# Altium PCB Analog_Modul.PcbDoc (continued)
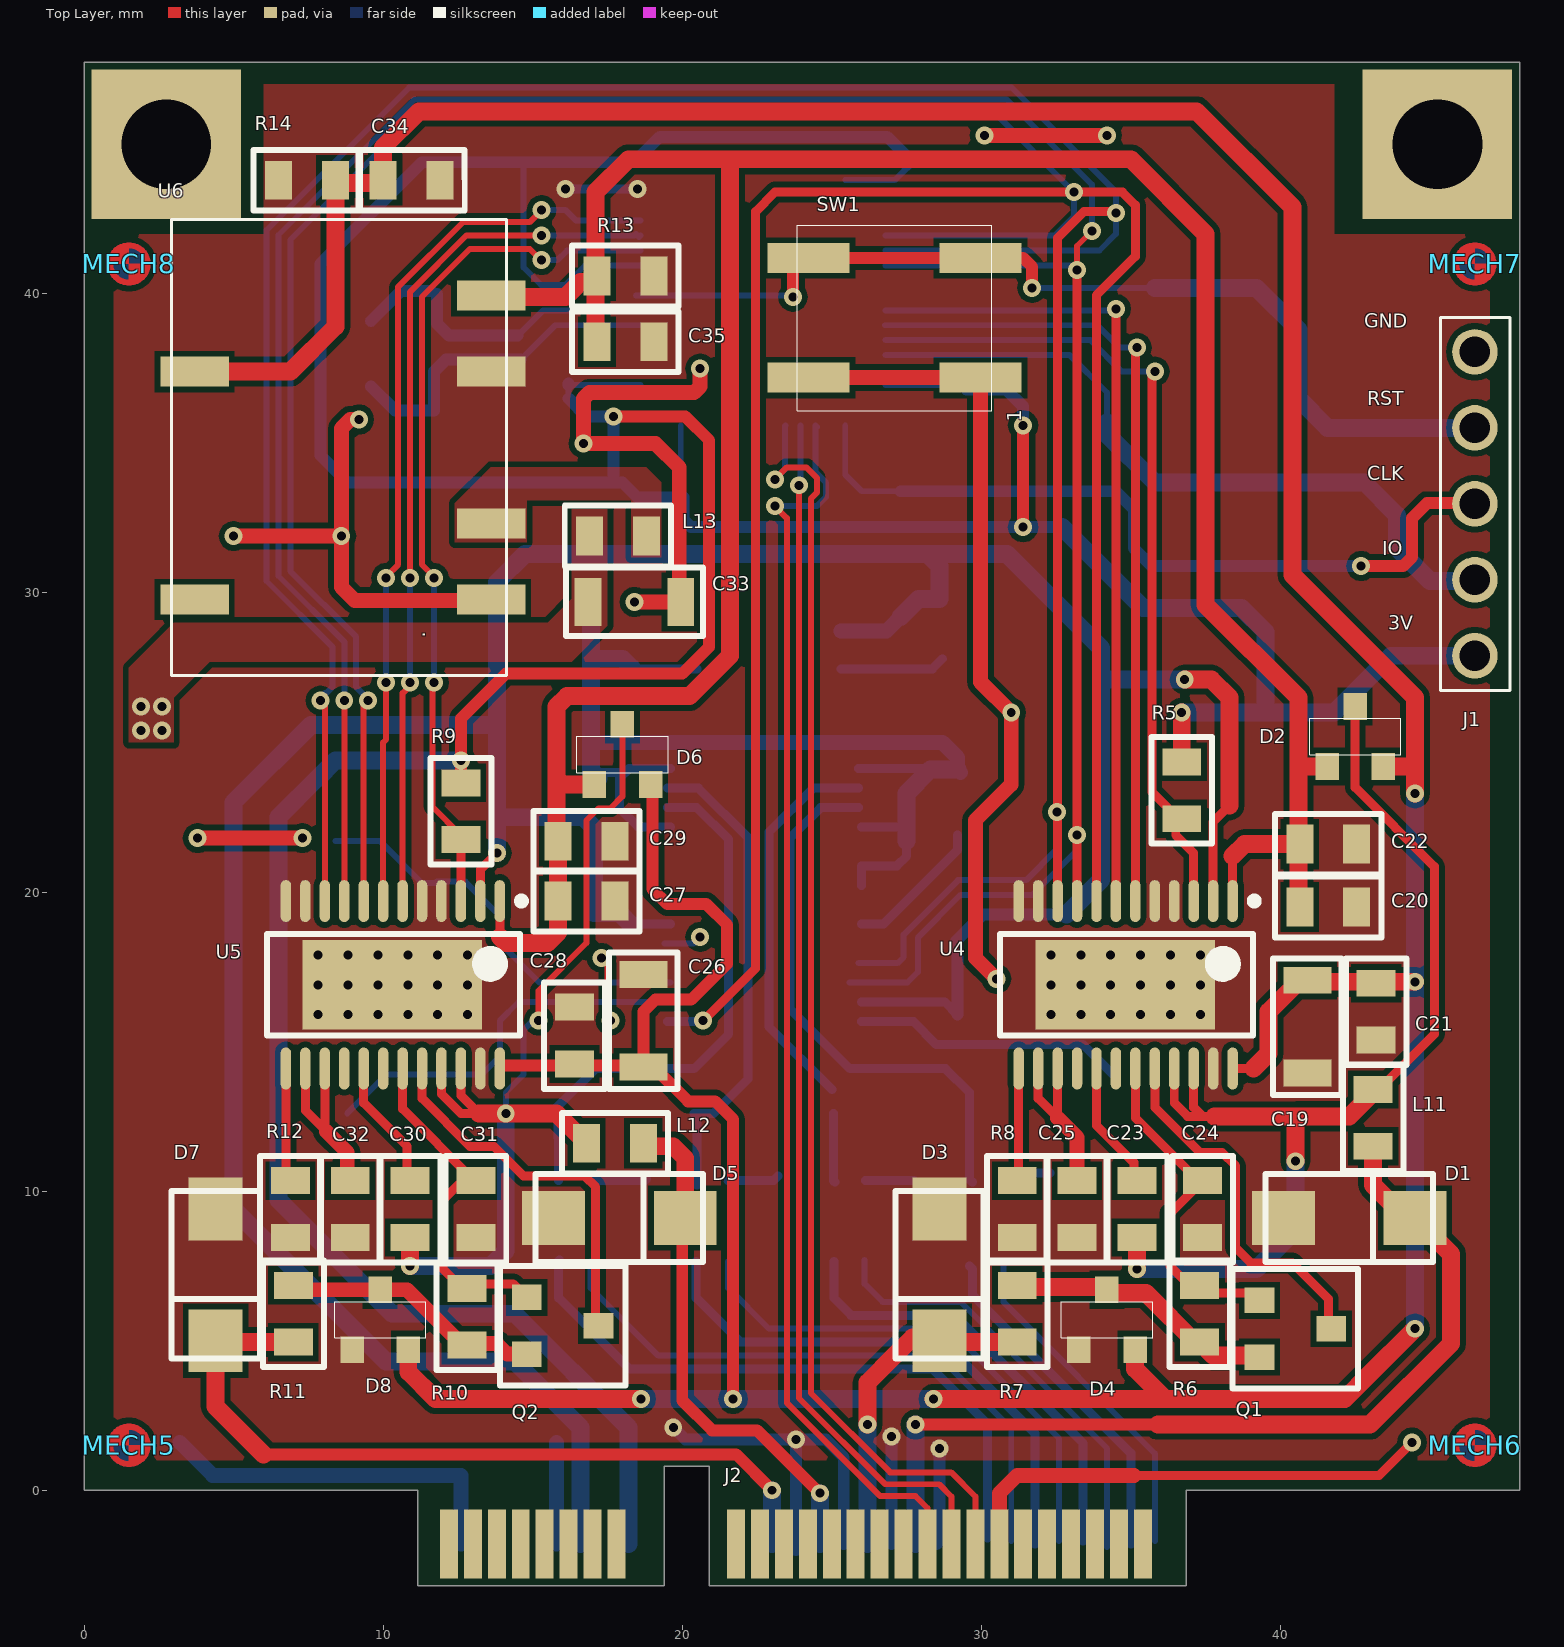
[diagram p0: Top Layer view]
## Footprints (in the part's own frame and the unit in brackets; to place one, negate y for a bottom-side part, rotate by r counter-clockwise, add the part's x,y. Pads: shape width x height; smd on the part's side, far side on the other; paste and mask are expansions set on the pad) (continued)
FILTER [mm]
  rect 1.1x0.6 smd: 1(-1.35,-0.533) 2(1.35,-0.533) 3(1.35,0.533) 4(-1.35,0.533)
  silkscreen extent -2.39,-1.12 2.26,1.12
"HEADER 1X5 2.54MM" [mil]
  round 60 hole 40: 1(0,0) 2(100,0) 3(200,0) 4(300,0) 5(400,0)
  silkscreen extent -45,-45 446,46
"HEADER,2PİN ADC" [mm]
  rect 3x1 smd mask+0.2: 1(-4.9,0) 2(4.7,0)
  silkscreen extent -5.7,-2.4 5.5,2.1, body extent -6.35,-2.4 6.15,2.4, height 4
ISA2415 [mm] "DC DC Converter"
  rect 1x2.29 smd: 1(0,0) 2(2.54,0) 4(7.62,0) 5(10.16,0) 7(7.62,9.91) 10(0,9.91)
  silkscreen extent -2.54,-0.52 12.7,10.68, body extent -2.54,-0.52 12.7,10.68, height 7.15
"MINI PCIe" [mm]
  rect 0.6x2.3 smd paste-0.9: 1(3.2,1.4) 3(4,1.4) 5(4.8,1.4) 7(5.6,1.4) 9(6.4,1.4) 11(7.2,1.4) 13(8,1.4) 15(8.8,1.4) 17(12.8,1.4) 19(13.6,1.4) 21(14.4,1.4) 23(15.2,1.4) 25(16,1.4) 27(16.8,1.4) 29(17.6,1.4) 31(18.4,1.4) 33(19.2,1.4) 35(20,1.4) 37(20.8,1.4) 39(21.6,1.4) 41(22.4,1.4) 43(23.2,1.4) 45(24,1.4) 47(24.8,1.4) 49(25.6,1.4) 51(26.4,1.4)
  rect 0.6x2.3 smd far side paste-0.9: 2(3.6,1.4) 4(4.4,1.4) 6(5.2,1.4) 8(6,1.4) 10(6.8,1.4) 12(7.6,1.4) 14(8.4,1.4) 16(9.2,1.4) 18(13.2,1.4) 20(14,1.4) 22(14.8,1.4) 24(15.6,1.4) 26(16.4,1.4) 28(17.2,1.4) 30(18,1.4) 32(18.8,1.4) 34(19.6,1.4) 36(20.4,1.4) 38(21.2,1.4) 40(22,1.4) 42(22.8,1.4) 44(23.6,1.4) 46(24.4,1.4) 48(25.2,1.4) 50(26,1.4) 52(26.8,1.4)
R0805 [mm]
  rect 0.9x1.3 smd: 1(-0.95,0) 2(0.95,0)
  silkscreen extent -1.78,-1.02 1.78,1.02, body extent -1.15,-0.67 1.15,0.68, height 0.76
R1206 [mm]
  rect 0.9x1.6 smd: 1(-1.55,0) 2(1.55,0)
  silkscreen extent -2.29,-1.14 2.29,1.14, body extent -1.67,-0.86 1.68,0.87, height 0.85
sm_osc_mixed [mm]
  rect 1.9x1.6 smd: 1(-2.05,0.9) 2(2.05,0.9) 3(2.05,-0.9) 4(-2.05,-0.9)
  silkscreen extent -2.62,-1.7 2.58,1.7, body extent -3.1,-1.85 3.1,1.85, height 1.44
SO-G3/Y1 [mm]
  rect 0.85x1 smd: 1(-0.95,-1.2) 2(0.95,-1.2) 3(0,1.2)
  silkscreen extent -2,-2.1 2,2.1
SOIC-8 [mm]
  oval 2.2x0.6 smd: 1(-2.4,1.905) 2(-2.4,0.635) 3(-2.4,-0.635) 4(-2.4,-1.905) 5(2.4,-1.905) 6(2.4,-0.635) 7(2.4,0.635) 8(2.4,1.905)
  silkscreen extent -2.53,-2.5 0.9,2.88, body extent -3,-2.45 3,2.45, height 1.75
"SOT23-3 - Number" [mil] "SOT23-3"
  rect 31x35 smd: 1(-37,-39.5) 2(37,-39.5) 3(0,39.5)
  silkscreen extent -60,-24 60,24, body extent -59,-59 59,59, height 51
STM-LQFP48_M [mm] "QFP, 48-Leads, Body 7x7mm, Pitch 0.5mm, IPC Low Density"
  oval 2.1x0.3 smd mask+0.1: 1(-4.1,2.75) 2(-4.1,2.25) 3(-4.1,1.75) 4(-4.1,1.25) 5(-4.1,0.75) 6(-4.1,0.25) 7(-4.1,-0.25) 8(-4.1,-0.75) 9(-4.1,-1.25) 10(-4.1,-1.75) 11(-4.1,-2.25) 12(-4.1,-2.75) 25(4.1,-2.75) 26(4.1,-2.25) 27(4.1,-1.75) 28(4.1,-1.25) 29(4.1,-0.75) 30(4.1,-0.25) 31(4.1,0.25) 32(4.1,0.75) 33(4.1,1.25) 34(4.1,1.75) 35(4.1,2.25) 36(4.1,2.75)
  oval 0.3x2.1 smd mask+0.1: 13(-2.75,-4.1) 14(-2.25,-4.1) 15(-1.75,-4.1) 16(-1.25,-4.1) 17(-0.75,-4.1) 18(-0.25,-4.1) 19(0.25,-4.1) 20(0.75,-4.1) 21(1.25,-4.1) 22(1.75,-4.1) 23(2.25,-4.1) 24(2.75,-4.1) 37(2.75,4.1) 38(2.25,4.1) 39(1.75,4.1) 40(1.25,4.1) 41(0.75,4.1) 42(0.25,4.1) 43(-0.25,4.1) 44(-0.75,4.1) 45(-1.25,4.1) 46(-1.75,4.1) 47(-2.25,4.1) 48(-2.75,4.1)
  silkscreen extent -4.22,-2.65 2.65,3.57, body extent -4.5,-4.5 4.5,4.5, height 1.5
SW_B3SL-1022P [mm] "SW_B3SL-1022P"
  rect 2.75x1 smd: 1(2.875,-2) 2(-2.875,-2) 3(2.875,2) 4(-2.875,2)
  silkscreen extent -3.25,-3.1 3.25,3.1, body extent -4.02,-3.25 3.98,3.25, height 7
T-Fidicuals [mm] "Fidicuals"
  Top Layer region: 0.625,0 0,0 0,0.625 0.375,0.5 0.625,0.25
  Top Layer region: 0,-0.625 -0.375,-0.5 -0.625,-0.25 -0.625,0 0,0
  Top Layer lines w0.203: 0,-0.625 cw(c0,0) 0,0.625 cw(c0,0) 0,-0.625
TSSOP-24 [mm]
  oval 1.4x0.35 smd: 1(-2.8,3.575) 2(-2.8,2.925) 3(-2.8,2.275) 4(-2.8,1.625) 5(-2.8,0.975) 6(-2.8,0.325) 7(-2.8,-0.325) 8(-2.8,-0.975) 9(-2.8,-1.625) 10(-2.8,-2.275) 11(-2.8,-2.925) 12(-2.8,-3.575) 13(2.8,-3.575) 14(2.8,-2.925) 15(2.8,-2.275) 16(2.8,-1.625) 17(2.8,-0.975) 18(2.8,-0.325) 19(2.8,0.325) 20(2.8,0.975) 21(2.8,1.625) 22(2.8,2.275) 23(2.8,2.925) 24(2.8,3.575)
  rect 3x6 all layers, no hole: 25(0,-0.015)
  silkscreen extent -2.92,-4.21 1.7,4.43, body extent -3.25,-3.94 3.3,3.96, height 1.2
TSSOP-28 [mm] "TSOP, 28-Leads, Body 9.7x4.4mm, Pitch 0.65mm, IPC High Density"
  oval 1.4x0.35 smd mask+0.18: 1(-3.2,4.225) 2(-3.2,3.575) 3(-3.2,2.925) 4(-3.2,2.275) 5(-3.2,1.625) 6(-3.2,0.975) 7(-3.2,0.325) 8(-3.2,-0.325) 9(-3.2,-0.975) 10(-3.2,-1.625) 11(-3.2,-2.275) 12(-3.2,-2.925) 13(-3.2,-3.575) 14(-3.2,-4.225) 15(3.2,-4.225) 16(3.2,-3.575) 17(3.2,-2.925) 18(3.2,-2.275) 19(3.2,-1.625) 20(3.2,-0.975) 21(3.2,-0.325) 22(3.2,0.325) 23(3.2,0.975) 24(3.2,1.625) 25(3.2,2.275) 26(3.2,2.925) 27(3.2,3.575) 28(3.2,4.225)
  silkscreen extent -2.92,-4.9 1.7,5.07, body extent -3.2,-4.9 3.2,4.9, height 1.1

## Part data
C1 C2 C11 C12: library part C-18PF,50V,0805, "MULTICOMP - MC0805N180J500CT - CAP, MLCC, C0G/NP0, 18PF, 50V,0805, REEL"
C3: library part C-4.7UF,16V,0805, "AVX - 0805YC475KAT2A - CAP, MLCC, X7R, 4.7UF, 16V, 0805"
C4 C5 C6 C18: library part C-10NF,0805, "CAP CER 10000PF 16V NP0 0805"
C7 C8 C13 C14 C15 C21 C22 C28 C29: library part C-100NF,16V,0805, "AVX - 0805YA103JAT2A - CAP, MLCC, C0G/NP0, 10NF, 16V, 0805"
C9 C10 C16 C17: library part C-10UF,16V,0805, "AVX - 0805YD106KAT2A - CAP, MLCC, X5R, 10UF, 16V, 0805"
C19 C26 C33: library part C-4.7UF,50V,1206, "CAP CER 4.7UF 50V X7R 1206"
C20 C27: library part C-10UF,50V,0805, "CAP CER 10UF 50V X7R 1206"
C23 C25 C30 C32: library part C-1UF,16V,0805, "AVX - 0805YC105KAT2A - CAP, MLCC, X7R, 1UF, 16V, 0805"
C24 C31: library part C-22NF,50V, "CAP CER 0.022UF 50V X7R 0805"
C34 C35: library part C-1UF,50V, "CAP CER 1UF 50V X7R 0805"
D1 D3 D5 D7: library part "D-P4SMA20CA TVS DIODE", "TVS DIODE 17.1VWM 27.7VC SMA"
D2 D4 D6 D8: library part D-BAV99,235, "DIODE ARRAY GP 100V 215MA SOT23"
J1: library part "CON-Header 1X5 2.54MM", "Header 1X5 2.54"
L1 L2 L4 L6 L7 L10 L11 L12: library part L-150OHM,800MA, "FERRITE 800MA 150 OHM 0805 SMD"
L3 L5 L8 L9: library part "L-CMC 90 OHM 370MA 2 LN SMD", "CMC 90 OHM 370MA 2 LN SMD"
L13: library part L-6.8UH,550mA,0805, "FIXED IND 6.8UH 550MA 250 MOHM"
MECH1 MECH2 MECH3 MECH4 MECH5 MECH6 MECH7 MECH8: "Fidicuals"
Q1 Q2: library part "T-BC817-40 NPN", "TRANS NPN 45V 0.5A SOT23"
R1 R2 R3 R4: library part R-475R,1206, "RES SMD 475 OHM 1% 1/2W 1206"
R5 R9: "RES SMD 10K OHM 1% 1/8W 0805"
R6 R10: "BOURNS - CR0805-FX-1001ELF - RESISTOR, 1K, 0.125W, 1%"
R7 R11: library part R-10R,0805, "RES SMD 10 OHM 1% 1/8W 0805"
R8 R12: library part R-15k,0805, "RES SMD 15K OHM 5% 1/8W 0805"
R13 R14: library part R-3.3K,0805, "RES SMD 3.3K OHM 5% 1/8W 0805"
SW1: "Switch Push Button tactile"
U1: "IC MCU 32BIT 64KB FLASH 48LQFP"
U2: library part IC-AD7734BRUZ, "IC ADC 24BIT 4-CH 28-TSSOP"
U3: library part IC-AD780ARZ, "IC VREF SERIES/SHUNT PROG 8SOIC"
U4 U5: "IC DAC 1CH 16BIT PROGR 24HTSSOP"
U6: library part IC-ISA2415, "DC/DC CONV 1W SMD DUAL OUT"
X1: library part OSC-ABM7-8.000MHZ-D2Y-T, "CRYSTAL 8.0000MHZ 18PF SMD"
Y1: library part OSC-ABLS-6.144MHZ-B4-T, "CRYSTAL 6.1440MHZ 18PF SMD"

## Free pads (board coordinates)
  rect 5x5 hole 3 unplated: MH1(2.75,45) MH2(45.25,45)

## Via types
v1: diameter 0.6, hole 0.3, Top Layer to Bottom Layer, tented both sides, 112 vias

## Nets (pads, with @x,y where several pads share a name; then routed paths per layer and width w, separated by ;. In a path a pad name is that pad's centre, name@x,y a point inside that pad or via, vN(x,y) a via of type N, cw(c..) or ccw(c..) an arc to the next point about the centre after c; other vN are vias at no path point)
3V3: C3.2 C4.2 C5.2 C6.2 J1.5 J2.16 R5.2 R9.2 U1.1 U1.9 U1.24 U1.36 U1.48 | length 166
  Top Layer w0.4: R9.2@12.6,23.7 v1(12.6,24.4) 12.6,25.8 14.1,27.3 20,27.3 20.9,28.2 20.9,35.1 20.1,35.9 v1(17.7,35.9) ; v1(31.4,32.2) v1(31.4,35.6)
  Top Layer w0.6: R5.2@36.7,24.4 v1(36.7,26)
  Bottom Layer w0.2: 14.7,44.4 14.7,40.879 15.279,40.3 16.1,40.3 16.75,40.95 U1.9 ; C5.2@16.2,36.5 C5.2@16.2,36.95 ; C5.2@16.25,36.95 U1.1 ; C6.2@19.95,33.3 U1.48 ; U1.24 27.1,43.8 C4.2@27.5,44.2 ; U1.36 29.35,36.95 C3.2@29.5,36.8
  Bottom Layer w0.4: C5.2@16.2,36.5 16.8,35.9 v1(17.7,35.9) 17.7,33.7 ; C5.2@16.2,36.95 C5.2@16.2,37 ; C6.2@19.9,33.2 18.5,33.2 18,33.7 17.7,33.7 ; C6.2@20.05,33.2 20.05,32.45 20.3,32.2 v1(31.4,32.2) 32.7,32.2 ; C4.2@27.5,44.3 27.5,44.6 26.85,45.25 19.25,45.25 18.4,44.4 14.7,44.4 11.3,44.4 7.9,41 7.9,34.6 8.8,33.7 17.7,33.7 ; C3.2@29.5,36.8 30.833,36.8 31.4,36.233 v1(31.4,35.6)
  Bottom Layer w0.6: 7.796,23.804 6.5,22.507 6.5,9.7 10.3,5.9 14.4,5.9 18.2,2.1 J2.16 ; 7.8,23.8 8.4,24.4 v1(12.6,24.4) ; 32.7,32.2 35.4,29.5 38.7,29.5 39.5,28.7 39.5,26 ; v1(36.7,26) 39.5,26 ; J1.5 43.7,27.9 41.8,26 39.5,26
5V: C7.2 C8.2 C9.2 C10.2 C16.2 J2.12 U2.6 U2.27 U3.2 U4.2 U5.2 | length 120.1
  Top Layer w0.3: U5.2 13.25,20.75 v1(13.8,21.3) ; U4.2 37.75,22.35 38.3,22.9
  Top Layer w0.6: v1(36.8,27.1) 37.7,27.1 38.3,26.5 38.3,22.9
  Bottom Layer w0.3: 18.275,18.925 U2.6@19.6,18.925 ; U2.27@26,16.325 28.775,16.325 C9.2@29.2,15.9
  Bottom Layer w0.4: C9.2@29.2,15.9 29.2,18.25 C7.2 29.15,18.35 30.05,19.25 32.85,19.25 32.95,19.25 33,19.3
  Bottom Layer w0.5: U3.2 26.835,28.735 27.4,29.3
  Bottom Layer w0.6: v1(13.8,21.3) 13.8,25.6 ; 13.9,22.5 16.7,22.5 17.05,22.15 C8.2 C10.2 17.9,19.3 18.275,18.925 ; J2.12 16.6,2.1 14.4,4.3 10.1,4.3 5,9.4 5,23 7.584,25.584 13.784,25.584 13.8,25.6 ; 27.3,29.2 27.9,29.8 28.6,29.8 28.6,30.9 28.3,31.2 ; 32.85,19.25 34,20.4 34,28.157 30.857,31.3 14.743,31.3 13.8,30.357 13.8,25.6 ; 34.1,27.1 v1(36.8,27.1)
24V: C33.1 J2.4 J2.6 J2.8 L13.1
  other v1: 1.9,25.4 2.6,25.4 1.9,26.2 2.6,26.2
+15V: C19.1 C21.1 C26.1 C28.1 C34.2 D2.2 D4.2 D6.2 D8.2 R14.2 U4.24 U5.24 U6.7 | length 161.6
  Top Layer w0.3: U4.24 39.1,14.1
  Top Layer w0.4: U5.24@14,14.2 C26.1@18.7,14.2 ; C26.1 C26.1@18.7,14.2 ; D6.2@18.9,23.8 19,23.7 19,20.1 19.5,19.6 20.8,19.6 21.5,18.9 21.5,17.6 20.3,16.4 19.1,16.4 18.7,16 C26.1@18.7,14.2 ; v1(21.7,3.05) 21.7,12.4 21.1,13 20.2,13 19,14.2 C26.1@18.7,14.2
  Top Layer w0.6: U6.7@4.2,37.4 6.9,37.4 8.4,38.9 8.4,43.7 9.9,43.7 C34.2 10,44.9 11.2,46.1 37.2,46.1 40.4,42.9 40.4,30.6 44.5,26.5 v1(44.5,23.3) ; D8.2 10.84,3.96 11.75,3.05 v1(18.625,3.05) ; v1(28.4,3.05) 42.15,3.05 43,3.9 v1@44.4,5.3 ; D4.2@35.14,4.7 D4.2 35.14,4.06 36.125,3.075 ; 39.1,14.1 39.6,14.6 39.6,16 40.6,17 43.2,17 v1(44.5,17) ; D2.2 44.403,24.197
  Bottom Layer w0.6: v1(18.625,3.05) v1(21.7,3.05) ; v1@21.75,3.05 v1(28.4,3.05) ; v1(44.5,5.4) v1(44.5,17) v1(44.5,23.3)
-15V: C20.2 C22.2 C27.2 C29.2 C35.2 D2.1 D6.1 R13.2 U4.1 U5.1 U6.5 | length 95.1
  Top Layer w0.3: 13.9,18.5 U5.1 ; U4.1 38.4,21.2
  Top Layer w0.6: U6.5@13.66,39.9 16.1,39.9 16.6,40.4 R13.2@17.1,40.4 ; 13.9,18.5 14.1,18.3 15.5,18.3 15.85,18.65 C27.2 C29.2@15.85,21.65 ; C29.2@15.8,21.6 C29.2@15.8,21.7 ; C29.2@15.9,21.6 C29.2@15.85,21.65 ; D6.1@17,23.6 16,23.6 15.8,23.8 ; C35.2@17.1,38.3 17.1,43.4 18.2,44.5 21.6,44.5 ; C35.2 C35.2@17.2,38.35 ; 38.4,21.2 38.8,21.6 C22.2@40.6,21.6 ; C20.2@40.6,19.3 C22.2@40.6,21.6 ; 40.603,24.197 D2.1 ; C22.2 C22.2@40.6,21.6 ; C29.2@15.8,21.7 15.8,23.8 ; C29.2@15.8,21.7 C29.2@15.85,21.65 ; 15.8,23.8 15.8,26.2 16.148,26.548 20.248,26.548 21.6,27.9 21.6,44.5 ; 21.6,44.5 35,44.5 37.5,42 37.5,29.6 40.6,26.5 C22.2@40.6,21.6
ADC_CS: U2.4
ADC_RESET_AD7734: U2.5 | length 1.3
  Bottom Layer w0.2: U2.5@19.4,18.275 U2.5 20.375,18.275 v1(20.6,18.5)
AGND1: J2.40 L8.2 | length 20.7
  Bottom Layer w0.2: L8.2 16.933,6.767 19.2,4.5 20.7,4.5 28.556,4.5 31,2.056 J2.40@31,-1.7
AGND2: J2.44 L9.2 | length 17.5
  Bottom Layer w0.2: L9.2 21.533,6.767 22.9,5.4 24.4,5.4 28.929,5.4 32.6,1.729 J2.44@32.6,-1.7
AGND3: J2.48 L5.2 | length 14.5
  Bottom Layer w0.2: L5.2@26.1,7.7 26.1,6.9 26.7,6.3 29.302,6.3 34.2,1.402 J2.48@34.2,-1.9
AGND4: J2.52 L3.2 | length 11.4
  Bottom Layer w0.2: L3.2@30.7,7.6 30.733,7.567 30.733,6.296 35.8,1.23 J2.52@35.8,-1.7
AIN1: J2.38 L8.3 | length 21.2
  Bottom Layer w0.3: L8.3@15.9,7.7 15.867,7.667 L8.3 15.867,6.433 18.25,4.05 28.369,4.05 30.2,2.219 J2.38@30.2,-1.6
AIN2: J2.42 L9.3 | length 18.1
  Bottom Layer w0.3: L9.3 20.467,6.433 21.2,5.7 21.95,4.95 28.743,4.95 31.8,1.893 J2.42
AIN3: J2.46 L5.3 | length 14.8
  Bottom Layer w0.3: L5.3 25.067,6.433 25.65,5.85 29.116,5.85 33.4,1.566 J2.46@33.4,-1.7
AIN4: J2.50 L3.3 | length 11.5
  Bottom Layer w0.3: L3.3@29.6,7.5 29.7,7.4 29.7,6.538 35,1.238 J2.50
AIN_1: L8.4 R4.2 U2.12 | length 18.1
  Bottom Layer w0.3: R4.2@15.8,12.8 17.1,14.1 20.4,14.1 21.55,15.25 21.55,21.76 20.485,22.825 U2.12 ; 15.85,11.8 R4.2@15.85,12.8 ; L8.4 15.867,11.733
AIN_2: L9.4 R1.2 U2.13 | length 16.2
  Bottom Layer w0.3: U2.13 20.542,23.475 22.2,21.817 22.2,13.75 21.05,12.6 R1.2 20.4,12.6 20.5,12.5 L9.4@20.5,10.2
AIN_3: L5.4 R2.2 U2.16 | length 15.4
  Bottom Layer w0.3: 25,13.4 22.9,15.5 22.9,22 24.375,23.475 U2.16 ; R2.2 25.05,10.35 L5.4@25.1,10.3
AIN_4: L3.4 R3.2 U2.17 | length 18.6
  Bottom Layer w0.3: U2.17 24.625,22.825 23.6,21.8 23.6,16.1 25.6,14.1 28.8,14.1 29.6,13.3 R3.2 29.6,10.4 L3.4@29.7,10.3
ALARM-1: R5.1 U1.33 U4.3 | length 27.9
  Top Layer w0.3: v1(35.8,37.4) 35.7,37.3 35.7,23.35 R5.1@36.5,22.55 ; R5.1@36.6,22.45 R5.1@36.5,22.55 ; U4.3 37.1,21.1 37.1,21.3 36.5,21.9 R5.1@36.5,22.55
  Bottom Layer w0.2: U1.33 33.65,38.45 34.7,37.4 v1(35.8,37.4)
ALARM-2: R9.1 U1.10 U5.3 | length 29.7
  Top Layer w0.2: v1(11.7,27) 11.65,26.95 11.65,22.85 12.6,21.9 R9.1 R9.1@12.6,21.7 ; v1(11.7,30.5) 11.7,30.549 11.3,30.949 11.3,39.9 12.9,41.5 14.901,41.5 15.274,41.127 v1(15.301,41.127)
  Top Layer w0.3: U5.3@12.6,19.2 R9.1@12.6,21.7
  Bottom Layer w0.2: v1@11.6,27 11.7,27.1 v1(11.7,30.5) ; v1(15.301,41.127) 15.301,41.199 15.375,41.125 15.825,41.125 16.15,41.45 U1.10
CLR-1: U1.32 U4.6 | length 27.4
  Top Layer w0.3: U4.6 35.15,38.15 v1(35.2,38.2)
  Bottom Layer w0.2: U1.32@26.775,38.95 U1.32 33.875,38.95 34.625,38.2 v1(35.2,38.2)
  Bottom Layer w0.3: v1@35.1,38.2 v1(35.2,38.2)
CLR-2: U1.11 U5.6 | length 29.1
  Top Layer w0.2: U5.6 10.65,26.65 10.9,26.9 v1(10.9,27) ; v1(10.9,30.5) 10.9,40.066 12.784,41.95 v1(15.3,41.95)
  Bottom Layer w0.2: v1@10.9,26.9 v1(10.9,27) v1(10.9,30.5) ; v1(15.3,41.95) 18.4,41.95 18.45,42 18.55,41.9 U1.11
DAC_GND: C19.2 C20.1 C21.2 C22.1 C24.1 C25.1 C26.2 C27.1 C28.2 C29.1 C31.1 C32.1 C34.1 C35.1 D1.2 D3.2 D4.1 D5.2 D7.2 D8.1 J2.22 J2.26 J2.30 J2.34 R8.1 R12.1 R13.1 R14.1 U4.4 U4.5 U4.11 U4.12 U4.23 U4.25 U5.4 U5.5 U5.11 U5.12 U5.23 U5.25 U6.4 | length 22.1
  Bottom Layer w0.3: v1(16.1,43.5) v1(18.5,43.5) ; J2.22@23.7,-2 J2.22@23.8,-1.9
  Bottom Layer w0.4: v1(19.7,2.1) 20.1,1.7 v1(23.8,1.7) ; J2.22@23.8,-2 23.8,-1.9 v1(23.8,1.7) ; J2.26 25.4,1.1 24.8,1.7 v1(23.8,1.7) ; J2.30 v1(27,1.8) ; J2.34@28.5,-1.8 28.6,-1.7 v1(28.6,1.4)
  other v1: 7.825,15.9 8.825,15.9 9.825,15.9 10.825,15.9 11.825,15.9 12.825,15.9 32.325,15.9 33.325,15.9 34.325,15.9 35.325,15.9 36.325,15.9 37.325,15.9 7.825,16.9 8.825,16.9 9.825,16.9 10.825,16.9 11.825,16.9 12.825,16.9 32.325,16.9 33.325,16.9 34.325,16.9 35.325,16.9 36.325,16.9 37.325,16.9 7.825,17.9 8.825,17.9 9.825,17.9 10.825,17.9 11.825,17.9 12.825,17.9 32.325,17.9 33.325,17.9 34.325,17.9 35.325,17.9 36.325,17.9 37.325,17.9
GND: C1.2 C2.2 C3.1 C4.1 C5.1 C6.1 C7.1 C8.1 C9.1 C10.1 C11.1 C12.1 C13.1 C14.2 C15.2 C16.1 C17.1 C18.1 C33.2 J1.1 J2.2 J2.10 J2.39 L1.2 L2.2 L4.1 L6.1 L7.1 L10.1 R1.1 R2.1 R3.1 R4.1 SW1.1 SW1.2 U1.8 U1.20 U1.23 U1.35 U1.44 U1.47 U2.19 U2.22 U3.4 U6.1 | length 98.8
  Top Layer w0.2: v1(17.3,17.8) 17.5,17.6 17.5,15.8 v1(17.6,15.7)
  Top Layer w0.3: 35.1,0.5 43.3,0.5 v1(44.4,1.6)
  Top Layer w0.5: v1(3.8,21.8) v1(7.3,21.8) ; v1(5,31.9) v1(8.6,31.9) ; v1(9.2,35.8) 8.9,35.8 8.6,35.5 v1(8.6,31.9) ; U6.1@13.4,29.8 13.35,29.75 9.05,29.75 8.6,30.2 v1(8.6,31.9) ; v1(18.4,29.7) C33.2 ; C33.2@19.9,29.8 19.9,34.2 19.1,35 v1(16.7,35) 16.7,36.5 16.9,36.7 20.4,36.7 20.6,36.9 v1(20.6,37.5) ; SW1.2 29.7,37.2 SW1.1@29.8,37.1 ; SW1.1 29.975,27.025 v1(31,26) 31,23.6 29.8,22.4 29.8,17.8 v1(30.5,17.1) ; v1(30.1,45.3) v1(34.2,45.3) ; J2.39 30.6,-0.1 31.2,0.5 35.1,0.5
  Bottom Layer w0.5: 3.2,1.6 4.3,0.5 12.6,0.5 J2.2 ; J2.10 15.8,1.6
IOUT-1: C24.2 Q1.1 R6.1 U4.19 | length 11.2
  Top Layer w0.3: U4.19 35.15,12.45 C24.2@37.3,10.3 ; C24.2 36.3,9.25 36.3,7.5 37.2,6.6 Q1.1@39.1,6.6
IOUT-1: D3.1 J2.28 R7.2 | length 10.9
  Top Layer w0.6: v1(26.2,2.2) 26.2,3.6 27.1,4.5 27.7,5.1 D3.1@28.7,5.1 ; D3.1@28.85,4.95 R7.2
  Bottom Layer w0.6: J2.28 v1(26.2,2.2)
IOUT-2: C31.2 Q2.1 R10.1 U5.19 | length 12.4
  Top Layer w0.3: U5.19 10.65,12.75 C31.2@13,10.4 ; C31.2@12.8,10.35 C31.2@13.55,10.35 ; R10.1@12.9,6.9 14.35,6.9 Q2.1 ; R10.1@13,6.8 12.6,6.8 12,7.4 12,9.7 12.65,10.35 C31.2
IOUT-2: D7.1 J2.20 R11.2 | length 26.5
  Top Layer w0.4: 6,1.2 6.1,1.2 ; 6,1.3 6.1,1.2 ; v1(23,0) 21.8,1.2 6.1,1.2
  Top Layer w0.6: D7.1 D7.1@4.4,4.95 ; 6,1.2 4.4,2.8 D7.1@4.4,4.95 ; R11.2 D7.1@4.4,4.95
  Bottom Layer w0.6: J2.20 v1(23,0)
LATCH-1: U1.31 U4.7 | length 27.5
  Top Layer w0.3: U4.7 v1(34.5,39.5)
  Bottom Layer w0.2: U1.31 v1@34.5,39.45
LATCH-2: U1.12 U5.7 | length 30
  Top Layer w0.2: U5.7 10,25 10.1,25.1 v1(10.1,27) ; v1(10.1,30.5) 10.1,30.549 10.5,30.949 10.5,40.231 12.669,42.4 14.9,42.4 v1(15.3,42.8)
  Bottom Layer w0.2: v1(10.1,27) v1(10.1,30.5) ; v1(15.3,42.8) 16.1,42.8 16.45,42.45 U1.12
NetC1_1: C1.1 U1.5 X1.2 | length 11.3
  Bottom Layer w0.2: 14.6,37.8 15.75,38.95 U1.5
  Bottom Layer w0.4: C1.1 10.4,36.1 11.7,36.1 11.7,37.4 12.1,37.8 14.6,37.8
NetC2_1: C2.1 U1.6 X1.1 | length 10.7
  Bottom Layer w0.2: 14.5,38.6 15.35,39.45 U1.6
  Bottom Layer w0.4: C2.1 10.6,40.1 X1.1@11.6,40.1 ; X1.1@11.8,40 11.8,39 12.2,38.6 14.5,38.6
NetC11_2: C11.2 U2.2 Y1.2 | length 13
  Bottom Layer w0.2: Y1.2@8.8,12.6 10.1,13.9 13.3,13.9 13.9,14.5 13.9,15.7 14.525,16.325 U2.2 U2.2@19.6,16.325
NetC12_2: C12.2 U2.3 Y1.1 | length 13.8
  Bottom Layer w0.2: Y1.1 9.9,21.7 11.3,20.3 C12.2@11.9,20.3 ; C12.2 12.75,20.35 13.9,19.2 13.9,18.3 15.225,16.975 U2.3 U2.3@19.6,16.975
NetC13_2: C13.2 C14.1 C15.1 C17.2 U2.11 U2.14 U2.15 U2.18 U2.20 U2.21 U3.6 | length 39.6
  Bottom Layer w0.3: C14.1@17,23.7 17.1,23.8 17.3,24 17.9,24 17.9,23.8 ; 18.3,27.5 18.335,27.465 U3.6 ; U2.11@19.6,22.175 18.525,22.175 17.9,22.8 17.9,23.8 ; U2.14@19.6,24.125 18.225,24.125 17.9,23.8 ; U2.15 28.375,24.125 ; U2.21@26,20.225 26,20.875 27.175,20.875 27.5,21.2 27.5,21.7 ; U2.18@26,22.175 27.375,22.175 27.5,22.3 ; 28.275,24.075 28.275,24.125 28.3,24.1
  Bottom Layer w0.5: 17,25 28.7,25 29.2,24.5 29.2,24.1 C13.2@29.3,24
  Bottom Layer w0.6: C14.1@16.95,23.85 C15.1 ; C14.1@16.95,24.2 16.982,24.071 17.003,23.988 17.041,23.835 17.05,23.8 17.1,23.8 C14.1@17.2,23.8 ; C17.2 16.95,27.85 17,27.8 18,27.8 18.3,27.5 ; 27.5,21.7 27.5,22.3 27.5,23.3 28.275,24.075 ; 28.3,24.1 C13.2@29.2,24.1
NetC18_2: C18.2 U3.3 | length 3.5
  Bottom Layer w0.3: U3.3 28.365,27.465 C18.2@28.7,27.8
NetC23_1: C23.1 U4.17 | length 4.3
  Top Layer w0.3: U4.17@33.85,14.05 33.85,12.2 35.1,10.95 C23.1@35.1,10.3
NetC25_2: C25.2 U4.14 U4.15 | length 5.8
  Top Layer w0.3: U4.14 31.9,13.1 32.5,12.5 ; 32.55,12.45 U4.15
  Top Layer w0.5: 32.55,12.45 33.2,11.8 C25.2@33.2,10.4
NetC30_1: C30.1 U5.17 | length 4.4
  Top Layer w0.3: U5.17 9.35,12.95 10.8,11.5 C30.1@10.8,10.3
NetC32_2: C32.2 U5.14 U5.15 | length 6.5
  Top Layer w0.3: U5.14 7.4,12.7 8.05,12.05 ; U5.15 8.05,12.05 ; 8.1,12 8.05,12.05
  Top Layer w0.5: 8.1,12 8.8,11.3 C32.2@8.8,10.2
NetD4_3: D4.3 Q1.2 R6.2 R7.1 | length 9.3
  Top Layer w0.6: R7.1 31.25,6.8 34.2,6.8 D4.3 34.2,6.7 34.3,6.6 35.5,6.6 37.2,4.9 R6.2@37.35,4.9 ; R6.2 R6.2@37.35,4.9 ; R6.2@37.4,4.9 R6.2@37.35,4.9 ; Q1.2@39.3,4.5 37.75,4.5 R6.2@37.35,4.9
NetD8_3: D8.3 Q2.2 R10.2 R11.1 | length 8.5
  Top Layer w0.5: R11.1@7.1,6.8 7.197,6.703 D8.3 10.797,6.703 12.6,4.9 R10.2@12.8,4.9 ; R10.2@12.9,4.9 13.8,4.9 14.15,4.55 Q2.2
NetL1_1: L1.1 U2.23 | length 4.7
  Bottom Layer w0.3: U2.23@26,18.925 26.725,18.925 29.2,21.4 L1.1@29.2,21.9
NetL2_1: L2.1 U2.28 | length 9.1
  Bottom Layer w0.3: U2.28@26,15.675 27.725,15.675 28.5,14.9 33.4,14.9 L2.1@34.4,13.9
NetL3_1: L3.1 L4.2 | length 1.5
  Bottom Layer w0.3: L3.1@30.8,10.6 L4.2
NetL5_1: L5.1 L6.2 | length 1.6
  Bottom Layer w0.3: L5.1 L6.2@27.75,10.35
NetL7_2: L7.2 L9.1 | length 1.7
  Bottom Layer w0.3: L9.1 23.05,10.35 L7.2
NetL8_1: L8.1 L10.2 | length 1.9
  Bottom Layer w0.3: L8.1 18.75,10.35 L10.2@18.8,10.4
NetL13_2: L13.2 U6.2
NetQ1_3: Q1.3 U4.20 | length 12.5
  Top Layer w0.3: U4.20 35.8,12.8 37.3,11.3 38.045,11.3 38.5,10.845 38.5,8.1 39,7.6 40.4,7.6 41.6,6.4 41.6,5.4 Q1.3@41.7,5.3
NetQ2_3: Q2.3 U5.20 | length 12.8
  Top Layer w0.3: U5.20 11.3,13.1 12.9,11.5 13.7,11.5 14.7,10.5 16.745,10.5 17.1,10.145 17.1,5.6 Q2.3 Q2.3@17.2,5.6
NetR8_2: R8.2 U4.13 | length 3.7
  Top Layer w0.3: R8.2@31.25,10.05 U4.13@31.25,13.7
NetR12_2: R12.2 U5.13 | length 3.9
  Top Layer w0.3: U5.13 6.75,10.55 R12.2@7,10.3
NRST: J1.2 SW1.3 SW1.4 U1.7 | length 33.5
  Top Layer w0.4: v1(23.7,39.9) 23.7,41.125 23.775,41.2 31.4,41.2 31.7,40.9 v1(31.7,40.2)
  Bottom Layer w0.2: U1.7@18.45,39.95 U1.7 23.65,39.95 v1(23.7,39.9) ; v1(31.7,40.2) 35.8,40.2 ; J1.2@46.5,35.5 46.48,35.52 J1.2
  Bottom Layer w0.6: 35.8,40.2 39.2,40.2 40.6,38.8 40.6,36.5 41.58,35.52 J1.2@46.48,35.52
SPI1_MISO: J2.35 U1.40 | length 40.7
  Top Layer w0.2: 23.9,33.1 v1(23.9,33.6) ; 23.9,33.2 23.9,3.086 26.786,0.2 28.297,0.2 28.591,0.2 29,-0.209 J2.35
  Bottom Layer w0.2: v1(23.9,33.6) 23.95,33.65 U1.40
SPI1_MOSI: J2.37 U1.41 | length 42.9
  Top Layer w0.2: v1(23.1,33.8) 23.5,34.2 24.149,34.2 24.5,33.849 24.5,33.351 24.3,33.151 24.3,3.251 26.951,0.6 28.131,0.6 28.991,0.6 29.8,-0.209 J2.37
  Bottom Layer w0.2: v1(23.1,33.8) 23.433,34.133 23.433,35.583 U1.41
SPI1_SCK: J2.33 U1.39 | length 41.2
  Top Layer w0.2: v1(23.1,32.9) 23.5,32.5 23.5,31.6 ; 23.5,31.7 23.5,2.92 26.62,-0.2 27.8,-0.2 28.2,-0.6 J2.33@28.2,-1
  Bottom Layer w0.2: v1(23.1,32.9) 24.5,32.9 24.8,33.2 24.8,33.7 24.45,34.05 U1.39 U1.39@24.5,35.55
SPI2_MISO: U1.27 U2.25 U4.10 U5.10 | length 99.4
  Top Layer w0.2: v1(7.9,26.4) v1@8.05,26.25 ; U5.10 v1@8.05,26.25 ; v1@8.05,26.4 v1@8.05,26.25
  Top Layer w0.3: U4.10 32.55,41.869 33.431,42.75 34.45,42.75 v1(34.5,42.7)
  Bottom Layer w0.2: v1(7.9,26.4) 7.9,26.5 8.048,26.648 8.1,26.648 8.3,26.848 8.3,28.2 6.1,30.4 6.1,42.131 10.869,46.9 31.014,46.9 34.5,43.414 v1(34.5,42.7) 34.5,42 33.95,41.45 U1.27 U1.27@26.85,41.4 ; U2.25 27.2,17.625 27.4,17.825 27.4,18.575 29.225,20.4 31.5,20.4 32.525,21.425 v1(32.525,22.675)
SPI2_MOSI: U1.28 U2.26 U4.9 U5.9 | length 95.1
  Top Layer w0.2: U5.9 v1(8.7,26.4) ; v1(33.2,40.8) 33.2,41.6 v1(33.7,42.1)
  Top Layer w0.3: U4.9@33.2,19.3 U4.9 v1(33.2,21.9) v1(33.2,40.8)
  Bottom Layer w0.2: v1(8.7,26.4) 8.7,28.366 6.5,30.566 6.5,41.966 11.034,46.5 30.849,46.5 33.7,43.649 v1(33.7,42.1) ; U2.26@25.6,16.975 U2.26 27.525,16.975 27.875,17.325 27.875,18.475 29.3,19.9 31.7,19.9 33.2,21.4 v1(33.2,21.9) ; U1.28@26.85,41 U1.28 33.05,40.95 v1(33.2,40.8)
SPI2_SCK: U1.26 U2.1 U4.8 U5.8 | length 125.7
  Top Layer w0.2: U5.8@9.3,19.75 U5.8 9.35,26.25 v1(9.5,26.4)
  Top Layer w0.3: v1(20.7,15.7) 22.45,17.45 22.45,42.75 23.1,43.4 v1(33.1,43.4) 34.719,43.4 35.15,42.969 35.15,41.25 33.85,39.95 U4.8
  Bottom Layer w0.2: v1(9.5,26.4) 9.5,26.448 9.1,26.848 9.1,28.531 6.9,30.731 6.9,41.8 11.2,46.1 30.4,46.1 v1(33.1,43.4) 33.1,42.6 32.45,41.95 U1.26
  Bottom Layer w0.3: U2.1 20.675,15.675 v1(20.7,15.7)
SWCLK: J1.3 U1.37 | length 26.5
  Top Layer w0.4: v1(42.7,30.9) 44.1,30.9 44.4,31.2 44.4,32.5 44.9,33 J1.3@46.6,33
  Bottom Layer w0.2: U1.37 25.45,33.95 26,33.4 27.3,33.4
  Bottom Layer w0.4: 27.3,33.4 34.5,33.4 35.1,32.8 35.1,31.5 35.7,30.9 v1(42.7,30.9)
SWDIO: J1.4 U1.34 | length 24.4
  Bottom Layer w0.2: U1.34 32.95,37.95 34.2,36.7 34.2,35.7
  Bottom Layer w0.6: 34.2,35.7 34.2,35.3 35.8,33.7 42.8,33.7 43.9,32.6 43.9,31.5 45,30.4 J1.4@46.6,30.4
VOUT-1: D1.1 J2.32 L11.2 | length 30.8
  Top Layer w0.4: v1(27.8,2.2) 35.9,2.2
  Top Layer w0.6: 35.9,2.2 43,2.2 45.7,4.9 45.7,7.9 D1.1 ; L11.2 43.1,10.2 44,9.3 D1.1@44.5,9.3
  Bottom Layer w0.6: J2.32 v1(27.8,2.2)
VOUT-1: C23.2 D2.3 L11.1 U4.21 U4.22 | length 34.2
  Top Layer w0.3: U4.21@36.45,13.7 36.45,12.95 36.9,12.5 37.4,12.5 ; U4.22@37.1,13.7 37.1,12.8 37.4,12.5 ; 37.8,12.5 37.4,12.5 ; D2.3 42.5,23.5 45.15,20.85 45.15,15.25 L11.1@43.4,13.5
  Top Layer w0.6: v1(35.2,7.4) C23.2@35.2,8.1 ; 37.8,12.5 40.5,12.5 ; v1@40.5,11.003 40.5,12.5 ; L11.1@43.2,13.4 42.3,12.5 40.5,12.5
  Bottom Layer w0.6: v1(35.2,7.4) 39.2,7.4 40.5,8.7 v1(40.5,11)
VOUT-2: D5.1 J2.24 L12.2 | length 16.5
  Top Layer w0.4: D5.1@20,8.9 20,3 21,2 22.5,2 v1(24.6,-0.1)
  Top Layer w0.6: L12.2@18.9,11.5 19.7,11.5 20.1,11.1 D5.1@20.1,9.4
  Bottom Layer w0.6: J2.24 v1@24.6,-0.2 ; v1@24.6,-0.2 v1(24.6,-0.1)
VOUT-2: C30.2 D6.3 L12.1 U5.21 U5.22 | length 32.3
  Top Layer w0.2: v1(15.2,15.7) 15.2,16.7 16.8,18.3 16.8,22.4 17.2,22.8 17.6,22.8 18,23.2 D6.3 D6.3@18,25.803 ; L12.1@16.7,11.5 L12.1@16.7,11.7
  Top Layer w0.3: U5.21 11.95,13.25 12.6,12.6 13.2,12.6 12.6,13.2 U5.22
  Top Layer w0.6: v1(10.9,7.5) C30.2 ; 13.2,12.6 v1(14.1,12.6) 15.8,12.6 L12.1@16.7,11.7
  Bottom Layer w0.2: v1(14.1,12.6) 14.1,13.3 14.7,13.9 14.7,15.4 15,15.7 v1(15.2,15.7)
  Bottom Layer w0.6: v1(10.9,7.5) 13.6,7.5 14.1,8 v1(14.1,12.6)
pads on no net: J2.1 J2.3 J2.5 J2.7 J2.9 J2.11 J2.13 J2.14 J2.15 J2.17 J2.18 J2.19 J2.21 J2.23 J2.25 J2.27 J2.29 J2.31 J2.36 J2.41 J2.43 J2.45 J2.47 J2.49 J2.51 U1.2 U1.3 U1.4 U1.13 U1.14 U1.15 U1.16 U1.17 U1.18 U1.19 U1.21 U1.22 U1.25 U1.29 U1.30 U1.38 U1.42 U1.43 U1.45 U1.46 U2.7 U2.8 U2.9 U2.10 U2.24 U3.1 U3.5 U3.7 U3.8 U4.16 U4.18 U5.16 U5.18 U6.10 X1.3 X1.4

## Polygon pours and split planes (outlines as drawn)
DAC_GND on Top Layer "Bottom Layer-No Net" (solid, pour order 18): 1,1 19,1 22,1 47,1 47,42 41.8,42 41.8,47 6,47 6,42 1,42
NetL13_2 on Top Layer "Bottom Layer-No Net" (solid, pour order 14): 18.3,31.2 19.3,31.2 19.3,33.7 18.8,34.2 18.3,34.2 13.6,34.2 12.4,33 12.4,31.7 14.8,31.7 14.8,33.1 18.3,33.1
24V on Top Layer "Bottom Layer-No Net" (solid, pour order 12): 1.5,25 1.5,27.5 2.5,28.5 3,29 15.5,29 16.3,29.8 16.3,32.8 16.9,32.8 17.5,32.8 17.5,31 17.5,28.9 16.3,27.7 12.5,27.7 4.2,27.7 3,26.5 3,25
GND on Bottom Layer "Bottom Layer-No Net" (solid, pour order 20): 1,42.3 1,1 8,1 15,1 16,1 17,1 47.6,1 47.6,42 42,42 42,47.5 5.45,47.5 5.45,42.3
24V on Bottom Layer "Bottom Layer-No Net" (solid, pour order 6): 13.1,-3 15.3,-3 15.3,2.1 14.4,3 5.5,3 3,5.5 3,26.5 2.3,26.5 1.5,26.5 1.5,4.5 4.7,1.3 13.1,1.3

## Silkscreen, mask and mechanical layers (free items; w line width, h text height)
Top Overlay:
  text "GND" at 42.8,38.7 h0.8
  text "RST" at 42.9,36.1 h0.8
  text "CLK" at 42.9,33.6 h0.8
  text "IO" at 43.4,31.1 h0.8
  text "3V" at 43.6,28.6 h0.8
Mechanical 1:
  lines w0.1: 0,47.75 48,47.75 48,0 36.85,0 36.85,-3.2 20.9,-3.2 20.9,0.8 ; 0,47.752 0,0 11.1,0 11.15,0 11.15,-3.2 19.4,-3.2 19.4,0.8
  lines w0.254: 0,51.7 0,51.9 ; 0.8,51.533 0,51.8 ; 0.8,52.067 0,51.8 ; 11.149,-8.7 11.149,-8.5 ; 11.949,-8.867 11.149,-8.6 ; 11.949,-8.333 11.149,-8.6 ; 16.86,-5.546 19.4,-5.546 ; 18.6,-5.813 19.4,-5.546 ; 18.6,-5.279 19.4,-5.546 ; 19.4,-5.646 19.4,-5.446 ; 20.446,-8.6 11.149,-8.6 ; 20.9,-5.646 20.9,-5.446 ; 21.18,51.8 0,51.8 ; 21.7,-5.813 20.9,-5.546 ; 21.7,-5.279 20.9,-5.546 ; 23.44,-5.546 20.9,-5.546 ; 26.82,51.8 48,51.8 ; 27.552,-8.6 36.849,-8.6 ; 36.049,-8.867 36.849,-8.6 ; 36.049,-8.333 36.849,-8.6 ; 36.849,-8.7 36.849,-8.5 ; 47.2,51.533 48,51.8 ; 47.2,52.067 48,51.8 ; 48,51.7 48,51.9 ; 50.479,-3.95 50.746,-3.15 ; 50.479,47 50.746,47.8 ; 50.646,-3.15 50.846,-3.15 ; 50.646,47.8 50.846,47.8 ; 50.746,-5.69 50.746,-3.15 ; 50.746,2.59 50.746,0.05 ; 50.746,19.972 50.746,0.05 ; 50.746,27.878 50.746,47.8 ; 51.013,-3.95 50.746,-3.15 ; 51.013,47 50.746,47.8 ; 50.746,0.05 51.013,0.85 50.746,0.05 ; 50.746,0.05 50.479,0.85 50.746,0.05 ; 50.646,0.05 50.846,0.05 50.646,0.05
  text "48 (mm)" at 21.434,51.3 h0.8
  text "47.75 (mm)" at 51.246,20.226 h0.8 r90
  text "3.2 (mm)" at 52.746,-4.449 h0.8 r90
  text "1.5 (mm)" at 17.318,-7.545 h0.8
  text "25.7 (mm)" at 20.7,-9.1 h0.8

## Text inside footprints (layer, text, board x,y; h text height)
SW1: Top Overlay "1" at 31.507,35.732 h0.8 r90